# Altium PCB PCB2_routed2layers.PcbDoc (part 2 of 2)
Units mm, origin at the board's own origin, x right, y up, seen from the top; angles counter-clockwise.
Board outline 72 x 72 mm, 2 copper layers (Top Layer, Bottom Layer), stack 0.325 mm thick; 110 components, 127 nets, 562 pads, 188 vias.
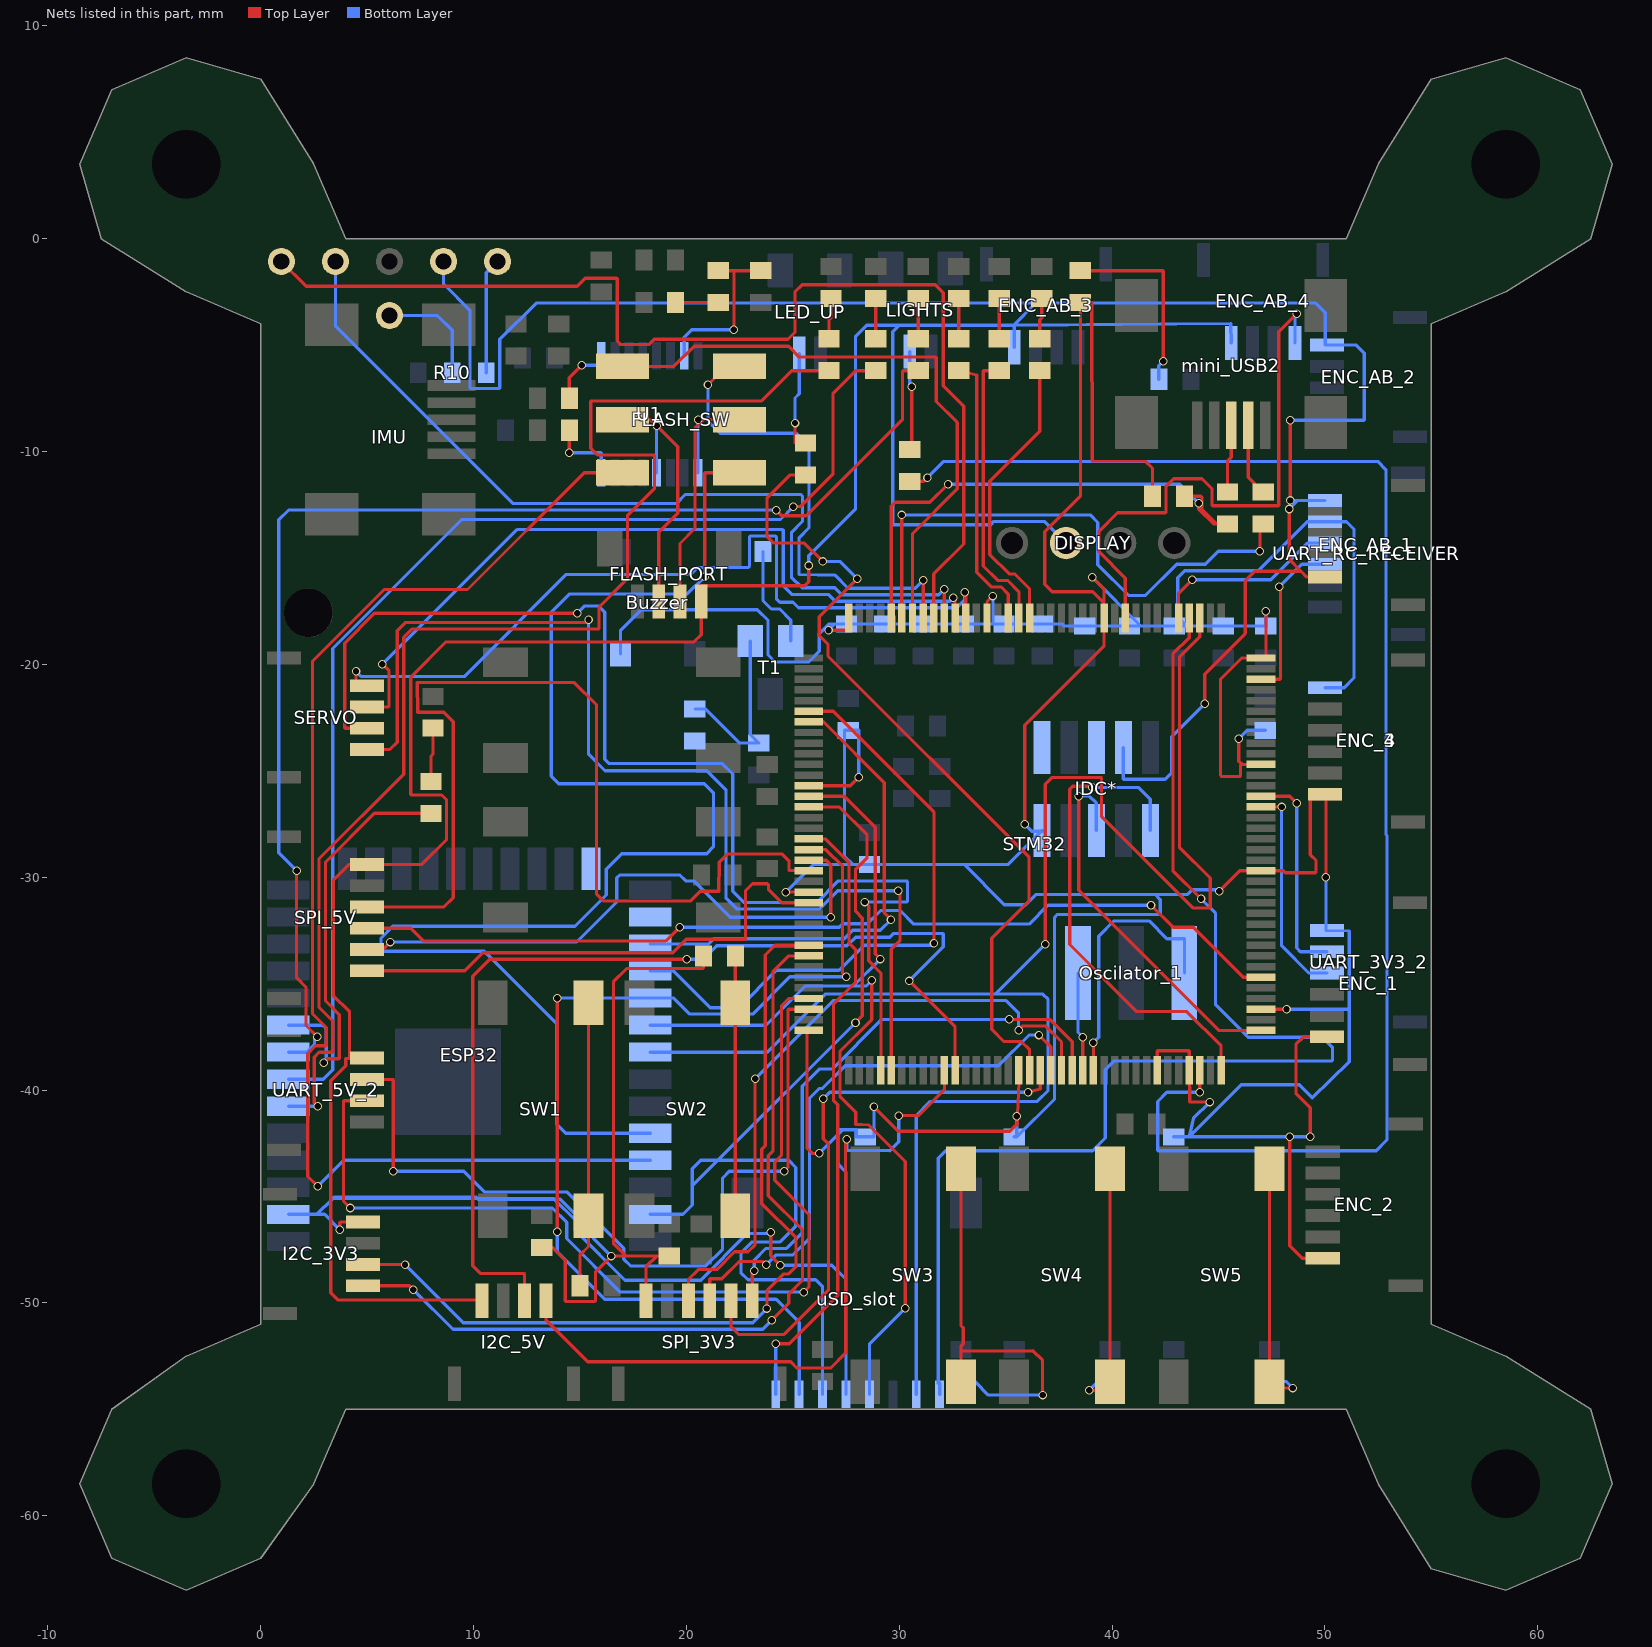
[diagram p2: the nets of this part, all layers, seen from the top]

## Via types
v1: diameter 0.4, hole 0.3, Top Layer to Bottom Layer, 188 vias

## Nets (pads, with @x,y where several pads share a name; then routed paths per layer and width w, separated by ;. In a path a pad name is that pad's centre, name@x,y a point inside that pad or via, vN(x,y) a via of type N, cw(c..) or ccw(c..) an arc to the next point about the centre after c; other vN are vias at no path point) (continued)
NetENC_AB_4_4: ENC_AB_4.4 STM32.82 | length 26.5
  Top Layer w0.152: STM32.82@40.625,-17.825 40.625,-15.946 39.389,-14.71 39.389,-13.744 40.256,-12.878 42.504,-12.878 42.529,-12.852 42.529,-11.646 42.898,-11.278 44.227,-11.278 44.696,-11.747 44.696,-12.522 44.722,-12.548 47.812,-12.548 47.838,-12.522 47.838,-4.369 v1(48.676,-3.531)
  Bottom Layer w0.152: ENC_AB_4.4@48.6,-4.9 48.6,-3.607 v1(48.676,-3.531)
NetESP32_6: ESP32.6 R6?.1 | length 61.8
  Top Layer w0.152: v1(2.677,-40.76) 2.516,-40.6 2.516,-38.449 2.738,-38.227 3.36,-38.227 3.386,-38.202 3.386,-36.757 2.738,-36.109 2.738,-29.136 6.715,-25.159 6.715,-18.732 7.105,-18.343 15.865,-18.343 15.894,-18.313 15.894,-17.317 17.231,-15.98 17.231,-13.018 18.501,-11.747 18.501,-10.185 18.475,-10.16 15.821,-10.16 15.504,-9.842 15.504,-7.645 15.529,-7.62 23.532,-7.62 24.952,-6.2 R6?.1@26.7,-6.2
  Bottom Layer w0.152: ESP32.6@1.3,-40.76 v1(2.677,-40.76)
NetESP32_7: ESP32.7 R7?.1 | length 55.2
  Top Layer w0.152: v1(25.029,-12.586) 25.346,-12.586 26.893,-11.039 26.893,-7.267 27.96,-6.2 R7?.1@28.9,-6.2
  Bottom Layer w0.152: ESP32.7@1.3,-39.49 2.947,-39.49 3.386,-39.051 3.386,-19.255 9.449,-13.192 24.422,-13.192 v1(25.029,-12.586)
NetESP32_8: ESP32.8 R8.1 | length 61.4
  Top Layer w0.152: v1(1.686,-29.693) 1.686,-34.729 2.129,-35.171 2.129,-36.968 v1(2.651,-37.49) ; v1(24.216,-12.751) 24.483,-13.018 25.626,-13.018 30.159,-8.484 30.159,-6.225 30.185,-6.2 R8.1@30.9,-6.2
  Bottom Layer w0.152: ESP32.8@1.3,-38.22 2.169,-38.22 2.524,-37.864 2.524,-37.516 2.55,-37.49 v1(2.651,-37.49) ; v1(1.686,-29.693) 0.848,-28.854 0.848,-13.208 1.305,-12.751 v1(24.216,-12.751)
NetESP32_9: ESP32.9 R9.1 | length 19.7
  Top Layer w0.152: v1(2.956,-38.71) 3.134,-38.532 3.665,-38.532 3.691,-38.506 3.691,-36.452 3.043,-35.805 3.043,-29.301 5.344,-27 R9.1@8,-27
  Bottom Layer w0.152: ESP32.9@1.3,-36.95 2.922,-36.95 3.081,-37.109 3.081,-38.585 v1(2.956,-38.71)
NetESP32_24: ESP32.24
NetESP32_26: ESP32.26
NetESP32_27: ESP32.27 STM32.115 | length 23.1
  Top Layer w0.152: STM32.115@25.75,-22.7 26.443,-22.7 29.296,-25.552 29.296,-31.676 v1(29.613,-31.994)
  Bottom Layer w0.152: ESP32.27@18.3,-33.14 21.035,-33.14 21.279,-32.896 27.413,-32.896 27.819,-32.49 29.117,-32.49 v1(29.613,-31.994)
NetESP32_28: ESP32.28 STM32.114 | length 29.3
  Top Layer w0.152: STM32.114@25.75,-22.2 26.902,-22.2 31.633,-26.931 v1(31.633,-33.099)
  Bottom Layer w0.152: ESP32.28@18.3,-34.41 19.403,-34.41 21.121,-36.128 22.479,-36.128 24.232,-34.376 27.175,-34.376 28.358,-33.193 31.539,-33.193 v1(31.633,-33.099)
NetESP32_29: ESP32.29 STM32.127 uSD_slot.2 | length 49.9
  Top Layer w0.152: v1(13.929,-46.66) v1(13.929,-35.68) ; STM32.127@25.75,-28.7 26.551,-28.7 27.34,-29.489 27.34,-34.506 v1(27.515,-34.68)
  Bottom Layer w0.152: v1(13.929,-46.66) 13.929,-47.6 16.164,-49.835 24.216,-49.835 25.3,-50.919 uSD_slot.2@25.3,-54.3 ; v1(13.929,-35.68) ESP32.29@18.3,-35.68 19.411,-35.68 20.165,-36.433 23.114,-36.433 24.867,-34.68 v1(27.515,-34.68)
NetESP32_30: ESP32.30 STM32.122 uSD_slot.5 | length 45.4
  Top Layer w0.152: STM32.122@25.75,-26.2 27.413,-26.2 28.874,-27.661 28.874,-33.605 v1(29.114,-33.846) ; v1(28.712,-34.849) 28.712,-36.69 27.213,-38.189 27.213,-40.284 27.964,-41.035 27.964,-41.605 28.57,-41.642 30.286,-43.358 v1(30.286,-50.248)
  Bottom Layer w0.152: ESP32.30@18.3,-36.95 23.74,-36.95 25.578,-35.112 27.847,-35.112 ; uSD_slot.5@28.6,-54.3 28.6,-51.934 v1(30.286,-50.248) ; v1(28.712,-34.849) 28.448,-35.112 27.847,-35.112 ; v1(29.114,-33.846) 27.847,-35.112
NetESP32_31: ESP32.31 STM32.75 uSD_slot.7 | length 80.9
  Top Layer w0.152: v1(36.865,-33.147) 36.865,-25.629 37.183,-25.311 39.481,-25.311 39.507,-25.336 39.507,-27.149 43.799,-31.442 44.587,-31.442 44.612,-31.417 44.612,-30.038 43.164,-28.59 43.164,-19.66 44.125,-18.699 STM32.75@44.125,-17.825
  Bottom Layer w0.152: ESP32.31@18.3,-38.22 23.794,-38.22 26.521,-35.493 34.519,-35.493 ; uSD_slot.7@30.8,-54.3 30.8,-41.203 31.468,-40.535 36.481,-40.535 36.994,-40.022 36.994,-35.74 36.748,-35.493 34.519,-35.493 ; v1(36.865,-33.147) 34.519,-35.493
NetESP32_34: ESP32.34 FLASH_SW.6 | length 70.3
  Top Layer w0.152: v1(20.863,-15.875) 20.863,-11.025 20.888,-11 FLASH_SW.6@22.5,-11
  Bottom Layer w0.152: ESP32.34@18.3,-42.03 14.323,-42.03 13.903,-41.611 13.903,-36.881 10.5,-33.477 5.677,-33.477 5.652,-33.452 5.652,-32.864 6.207,-32.309 14.767,-32.309 16.24,-30.836 16.24,-29.616 16.964,-28.892 20.952,-28.892 21.269,-28.575 21.269,-26.035 20.838,-25.603 14.005,-25.603 13.649,-25.248 13.649,-17.551 14.513,-16.688 20.05,-16.688 v1(20.863,-15.875)
NetESP32_35: ESP32.35 FLASH_SW.3 | length 60.1
  Top Layer w0.152: v1(2.677,-44.526) 2.212,-44.061 2.212,-38.286 2.575,-37.922 3.055,-37.922 3.081,-37.897 3.081,-37.062 2.433,-36.414 2.433,-19.852 5.803,-16.483 9.716,-16.483 15.199,-11 FLASH_SW.3@17,-11
  Bottom Layer w0.152: v1(2.677,-44.526) 3.903,-43.3 ESP32.35@18.3,-43.3
NetESP32_37: ESP32.37 STM32.123 uSD_slot.3 | length 48.4
  Top Layer w0.152: STM32.123@25.75,-26.7 27.181,-26.7 28.492,-28.011 28.492,-29.081 27.95,-29.623 27.95,-31.607 28.264,-31.921 28.264,-36.514 v1(27.946,-36.831)
  Bottom Layer w0.152: ESP32.37@18.3,-45.84 19.841,-45.84 20.279,-45.402 20.279,-44.499 ; uSD_slot.3@26.4,-54.3 26.4,-49.247 26.07,-48.917 22.895,-48.917 22.565,-48.587 22.565,-47.663 23.093,-47.135 24.401,-47.135 25.137,-46.399 25.137,-43.638 24.8,-43.301 21.476,-43.301 ; v1(27.946,-36.831) 21.476,-43.301 ; 20.279,-44.499 21.476,-43.301 ; 20.279,-44.499 20.279,-43.695 20.673,-43.301 21.476,-43.301
NetFLASH_PORT_2: FLASH_PORT.2 FLASH_SW.5 U1.1 | length 13.5
  Top Layer w0.152: FLASH_PORT.2@19.7,-17.05 19.7,-14.32 20.406,-13.614 20.406,-8.89 20.796,-8.5 ; v1(20.55,-8.5) 20.796,-8.5 ; FLASH_SW.5@22.5,-8.5 20.796,-8.5
  Bottom Layer w0.152: U1.1@20.55,-11 v1(20.55,-8.5)
NetFLASH_PORT_3: FLASH_PORT.3 FLASH_SW.2 U1.4 | length 13
  Top Layer w0.152: FLASH_SW.2@17,-8.5 18.31,-8.5 v1(18.6,-8.79) 19.59,-9.78 19.59,-12.909 18.7,-13.799 FLASH_PORT.3@18.7,-17.05
  Bottom Layer w0.152: U1.4@18.6,-11 v1(18.6,-8.79)
NetI2C_3V3_3: I2C_3V3.3 STM32.136 | length 40.7
  Top Layer w0.152: I2C_3V3.3@4.8,-48.2 v1(6.782,-48.2) ; v1(23.784,-50.267) 23.784,-49.432 24.575,-48.641 24.8,-48.641 25.152,-48.289 25.152,-46.946 23.546,-45.34 23.546,-42.777 23.708,-42.615 23.708,-33.655 24.163,-33.2 STM32.136@25.75,-33.2
  Bottom Layer w0.152: v1(6.782,-48.2) 9.519,-50.936 23.114,-50.936 v1(23.784,-50.267)
NetI2C_3V3_4: I2C_3V3.4 STM32.137 | length 40
  Top Layer w0.152: I2C_3V3.4@4.8,-49.2 6.995,-49.2 v1(7.172,-49.378) ; v1(24.013,-50.813) 24.809,-50.016 24.809,-49.594 25.457,-48.946 25.457,-46.573 23.851,-44.967 23.851,-43.082 24.076,-42.856 24.076,-34.424 24.8,-33.7 STM32.137@25.75,-33.7
  Bottom Layer w0.152: v1(7.172,-49.378) 9.036,-51.241 23.584,-51.241 v1(24.013,-50.813)
NetI2C_5V_3: I2C_5V.3 STM32.11 | length 48.4
  Top Layer w0.152: I2C_5V.3@12.4,-49.9 12.4,-48.641 12.375,-48.616 10.322,-48.616 9.966,-48.26 9.966,-34.647 10.755,-33.858 v1(20.025,-33.858) ; v1(30.464,-34.874) 32.625,-37.035 STM32.11@32.625,-39.075
  Bottom Layer w0.152: v1(20.025,-33.858) 20.796,-33.858 21.431,-33.223 27.543,-33.223 27.95,-32.817 29.561,-32.817 29.738,-32.639 32.039,-32.639 32.064,-32.664 32.064,-33.274 v1(30.464,-34.874)
NetI2C_5V_4: I2C_5V.4 STM32.10 | length 34.2
  Top Layer w0.152: I2C_5V.4@13.4,-49.9 13.4,-50.8 15.371,-52.771 24.902,-52.771 25.191,-53.061 26.781,-53.061 27.471,-52.37 27.471,-42.388 v1(27.543,-42.316) ; v1(29.982,-41.199) 30.906,-41.199 32.125,-39.98 STM32.10@32.125,-39.075
  Bottom Layer w0.152: v1(27.543,-42.316) 27.543,-42.824 29.563,-42.85 29.982,-42.431 v1(29.982,-41.199)
NetIDC*_1: IDC*.1 STM32.36 | length 23.1
  Top Layer w0.152: v1(39.075,-25.781) 39.024,-25.73 38.148,-25.73 38.008,-25.87 38.008,-33.161 41.158,-36.311 43.509,-36.311 45.125,-37.927 STM32.36@45.125,-39.075
  Bottom Layer w0.152: v1(39.075,-25.781) 41.241,-25.781 41.8,-26.34 IDC*.1@41.8,-27.8
NetIDC*_3: IDC*.3 STM32.37 | length 18
  Top Layer w0.152: v1(38.44,-26.187) 38.44,-30.621 45.018,-37.2 STM32.37@47,-37.2
  Bottom Layer w0.152: v1(38.44,-26.187) 38.936,-26.187 39.26,-26.511 IDC*.3@39.26,-27.8
NetIDC*_8: IDC*.8
NetIDC*_10: IDC*.10
NetIMU_1: IMU.1 STM32.100 | length 53.5
  Top Layer w0.152: IMU.1@0.97,-1.07 2.138,-2.238 14.865,-2.238 15.25,-1.854 16.723,-1.854 16.75,-1.881 16.75,-4.806 16.919,-4.975 18.231,-4.975 18.482,-4.724 24.775,-4.724 25.105,-4.394 25.105,-2.489 25.435,-2.159 31.69,-2.159 32.071,-2.54 32.071,-6.909 33.03,-7.867 33.03,-14.345 31.625,-15.75 STM32.100@31.625,-17.825
NetIMU_2: IMU.2 STM32.99 | length 41.6
  Top Layer w0.152: v1(32.118,-16.472) 32.118,-17.288 32.125,-17.294 STM32.99@32.125,-17.825
  Bottom Layer w0.152: IMU.2@3.51,-1.07 3.51,-4.097 11.855,-12.443 19.53,-12.443 19.958,-12.014 25.368,-12.014 25.457,-12.104 25.457,-13.284 24.935,-13.807 24.935,-15.905 25.435,-16.405 26.971,-16.405 27.29,-16.725 31.866,-16.725 v1(32.118,-16.472)
NetIMU_5: IMU.5 R10.1 | length 5.4
  Bottom Layer w0.152: R10.1@10.6,-6.3 10.6,-1.6 IMU.5@11.13,-1.07
NetIMU_6: IMU.6 R10.2 | length 5.2
  Bottom Layer w0.152: IMU.6@6.05,-3.61 8.306,-3.61 9,-4.304 R10.2@9,-6.3
NetLD1_2: LD1.2 R4.1 | length 2
  Top Layer w0.152: LD1.2@19.5,-3 R4.1@21.5,-3
NetLD2_2: LD2.2 R11.1 | length 9.1
  Top Layer w0.152: LD2.2@38.5,-1.5 42.377,-1.5 42.402,-1.525 v1(42.402,-5.766)
  Bottom Layer w0.152: R11.1@42.2,-6.6 42.2,-5.968 v1(42.402,-5.766)
NetLD3_1: LD3.1 R6?.2 | length 1.9
  Top Layer w0.152: R6?.2@26.7,-4.7 26.7,-3.81 26.8,-3.71 LD3.1@26.8,-2.8
NetLD4_1: LD4.1 R7?.2 | length 1.9
  Top Layer w0.152: R7?.2@28.9,-4.7 LD4.1@28.9,-2.8
NetLD5_1: LD5.1 R8.2 | length 1.9
  Top Layer w0.152: R8.2@30.9,-4.7 LD5.1@30.9,-2.8
NetLD6_1: LD6.1 R9.2 | length 2.5
  Top Layer w0.152: R9.2@8,-25.5 8,-24.308 8.1,-24.208 LD6.1@8.1,-23
NetLD7_1: LD7.1 R?7.2 | length 1.9
  Top Layer w0.152: R?7.2@32.8,-4.7 32.8,-3.759 LD7.1@32.8,-2.8
NetLD8_1: LD8.1 R8?.2 | length 1.9
  Top Layer w0.152: R8?.2@34.7,-4.7 LD8.1@34.7,-2.8
NetLD9_1: LD9.1 R9?.2 | length 1.9
  Top Layer w0.152: R9?.2@36.6,-4.7 36.6,-3.81 36.7,-3.71 LD9.1@36.7,-2.8
NetLED_UP_1: LED_UP.1 R68.2 | length 4.8
  Top Layer w0.152: v1(25.105,-8.661) 25.105,-9.6 R68.2@25.6,-9.6
  Bottom Layer w0.152: v1(25.105,-8.661) 25.105,-7.485 25.3,-7.29 LED_UP.1@25.3,-5.4
NetLIGHTS_1: LIGHTS.1 R67.2 | length 4.7
  Top Layer w0.152: R67.2@30.5,-9.9 30.591,-9.9 v1(30.591,-6.954)
  Bottom Layer w0.152: LIGHTS.1@30.5,-5.3 30.5,-6.862 v1(30.591,-6.954)
Netmini_USB2_2: mini_USB2.2 R47.2 | length 3.4
  Top Layer w0.152: mini_USB2.2@46.4,-8.765 46.4,-11.2 R47.2@47.1,-11.9
Netmini_USB2_3: mini_USB2.3 R48.2 | length 3.2
  Top Layer w0.152: R48.2@45.425,-11.9 45.425,-10.439 45.6,-10.264 mini_USB2.3@45.6,-8.765
NetOscilator_1_1: Oscilator_1.1 STM32.24 | length 12.7
  Top Layer w0.152: STM32.24@39.125,-39.075 v1(39.125,-37.77)
  Bottom Layer w0.152: v1(39.125,-37.77) 39.38,-37.516 39.38,-32.766 40.091,-32.055 41.742,-32.055 42.58,-32.893 43.4,-32.893 Oscilator_1.1@43.4,-34.5
NetOscilator_1_3: Oscilator_1.3 STM32.23 | length 4.7
  Top Layer w0.152: STM32.23@38.625,-39.075 v1(38.625,-37.519)
  Bottom Layer w0.152: Oscilator_1.3@38.4,-34.5 38.4,-37.294 v1(38.625,-37.519)
NetR1_1: RUSB.1 U1.9 | length 3.2
  Top Layer w0.152: RUSB.1@14.5,-7.5 14.5,-6.528 v1(15.084,-5.944)
  Bottom Layer w0.152: v1(15.084,-5.944) 16,-5.944 U1.9@16,-5.5
NetR2_1: R2.1 U1.8 | length 3.5
  Top Layer w0.152: v1(14.5,-10.058) R2.1@14.5,-9
  Bottom Layer w0.152: v1(14.5,-10.058) 15.975,-10.058 16,-10.084 U1.8@16,-11
NetR3_1: R3.1 R4.2 U1.15 | length 8.8
  Top Layer w0.152: v1(22.235,-4.28) 22.235,-1.525 R4.2@21.5,-1.5 R3.1@23.5,-1.5
  Bottom Layer w0.152: U1.15@19.9,-5.5 19.9,-4.623 20.243,-4.28 v1(22.235,-4.28)
NetR5_2: R5.2 T1.2 | length 5
  Bottom Layer w0.152: R5.2@23.6,-14.7 23.6,-17.003 23.996,-17.399 24.382,-17.399 24.9,-17.917 T1.2@24.9,-18.9
NetR6_1: R6.1
NetR6_2: R6.2 R7.2 T1.1 | length 8.6
  Bottom Layer w0.152: R6.2@20.4,-22.1 20.912,-22.1 22.512,-23.7 R7.2@23.4,-23.7 23,-23.293 T1.1@23,-18.9
NetR8?_1: R8?.1 STM32.92 | length 13.3
  Top Layer w0.152: R8?.1@34.7,-6.2 33.969,-6.2 33.954,-6.216 33.954,-15.376 34.633,-16.056 35.087,-16.056 35.625,-16.594 STM32.92@35.625,-17.825
NetR9?_1: R9?.1 STM32.91 | length 13.5
  Top Layer w0.152: STM32.91@36.125,-17.825 36.125,-16.459 35.417,-15.751 35.17,-15.751 34.258,-14.84 34.258,-11.395 36.6,-9.053 R9?.1@36.6,-6.2
NetR22_2: R22.2 SW3.3 SW3.4 | length 19.8
  Top Layer w0.152: SW3.3@32.9,-53.7 32.9,-52.273 ; SW3.4@32.9,-43.7 32.9,-51.063 33.009,-51.172 33.009,-51.92 32.9,-52.029 32.9,-52.273 ; v1(36.738,-54.331) 36.738,-52.705 36.281,-52.248 32.9,-52.273
  Bottom Layer w0.152: R22.2@32.9,-53.7 33.563,-53.7 34.194,-54.331 v1(36.738,-54.331)
NetR24_2: R24.2 SW4.3 SW4.4 | length 12.5
  Top Layer w0.152: v1(38.922,-54.102) 39.9,-54.102 SW4.3@39.9,-53.7 SW4.4@39.9,-43.7
  Bottom Layer w0.152: v1(38.922,-54.102) 39.324,-53.7 R24.2@39.9,-53.7
NetR26_2: R26.2 SW5.3 SW5.4 | length 12.6
  Top Layer w0.152: SW5.4@47.4,-43.7 SW5.3@47.4,-53.7 47.4,-54 v1(48.498,-54)
  Bottom Layer w0.152: R26.2@47.4,-53.7 48.198,-53.7 v1(48.498,-54)
NetR42_2: R42.2 SW1.3 SW1.4 | length 13.5
  Top Layer w0.152: R42.2@15,-49.2 15,-47.752 15.4,-47.352 SW1.3@15.4,-45.9 SW1.4@15.4,-35.9
NetR47_1: R47.1 STM32.103 | length 26.7
  Top Layer w0.152: STM32.103@30.125,-17.825 v1(30.125,-12.979) ; v1(46.949,-14.681) 46.949,-13.4 R47.1@47.1,-13.4
  Bottom Layer w0.152: v1(30.125,-12.979) 38.973,-12.979 39.329,-13.335 39.329,-15.316 40.777,-16.764 41.564,-16.764 43.034,-15.294 44.38,-15.294 44.993,-14.681 v1(46.949,-14.681)
NetR48_1: R48.1 R49.2 STM32.104 | length 24.8
  Top Layer w0.152: STM32.104@29.625,-17.825 29.625,-12.573 29.815,-12.383 31.442,-12.383 v1(32.293,-11.532) ; R49.2@43.4,-12.1 44.168,-12.1 44.231,-12.163 44.231,-12.728 44.903,-13.4 ; v1(44.079,-12.421) 44.079,-12.713 44.766,-13.4 44.903,-13.4 ; R48.1@45.425,-13.4 44.903,-13.4
  Bottom Layer w0.152: v1(32.293,-11.532) 43.19,-11.532 v1(44.079,-12.421)
NetR52_2: R52.2 SW2.3 SW2.4 | length 12.2
  Top Layer w0.152: 22.3,-34.823 R52.2@22.3,-33.7 ; SW2.3@22.3,-45.9 SW2.4@22.3,-35.9 22.3,-34.823
NetR67_1: R67.1 STM32.34 | length 70.9
  Top Layer w0.152: R67.1@30.5,-11.4 31.155,-11.4 v1(31.328,-11.227) ; STM32.34@44.125,-39.075 44.125,-40.102 v1(44.129,-40.107)
  Bottom Layer w0.152: v1(31.328,-11.227) 32.09,-10.465 52.486,-10.465 52.867,-10.846 52.867,-27.991 52.918,-28.042 52.918,-42.342 52.41,-42.85 42.174,-42.85 42.148,-42.824 42.148,-40.538 42.58,-40.107 v1(44.129,-40.107)
NetR68_1: R68.1 STM32.18 | length 39
  Top Layer w0.152: R68.1@25.6,-11.1 24.876,-11.1 23.784,-12.192 23.784,-13.97 24.114,-14.3 25.537,-14.3 v1(26.4,-15.164) ; v1(28.026,-15.977) 26.248,-17.755 26.248,-18.644 26.654,-19.05 26.654,-19.609 36.103,-29.058 36.103,-31.115 34.35,-32.868 34.35,-37.148 34.922,-37.719 35.744,-37.719 36.125,-38.1 STM32.18@36.125,-39.075
  Bottom Layer w0.152: v1(26.4,-15.164) 27.213,-15.164 v1(28.026,-15.977)
NetR?7_1: R?7.1 STM32.93 | length 13.2
  Top Layer w0.152: R?7.1@32.8,-6.2 33.639,-6.403 33.639,-15.678 34.322,-16.361 34.782,-16.361 35.125,-16.704 STM32.93@35.125,-17.825
NetSERVO_1: SERVO.1 STM32.97 | length 38.3
  Top Layer w0.152: v1(4.48,-20.32) 4.48,-21 SERVO.1@5,-21 ; v1(33.08,-16.617) 33.125,-16.661 STM32.97@33.125,-17.825
  Bottom Layer w0.152: v1(4.48,-20.32) 4.734,-20.574 9.56,-20.574 14.361,-15.773 20.214,-15.773 20.541,-15.446 22.905,-15.446 22.971,-15.38 22.971,-13.997 22.997,-13.971 24.19,-13.971 24.229,-14.01 24.229,-16.912 24.393,-17.076 25.011,-17.076 25.269,-17.334 32.706,-17.334 33.08,-16.959 v1(33.08,-16.617)
NetSERVO_2: SERVO.2 STM32.98 | length 36.6
  Top Layer w0.152: SERVO.2@5,-22 6.004,-22 6.029,-21.975 6.029,-20.307 v1(5.712,-19.99) ; v1(32.547,-16.866) 32.625,-16.944 STM32.98@32.625,-17.825
  Bottom Layer w0.152: v1(5.712,-19.99) 12.037,-13.665 24.521,-13.665 24.546,-13.691 24.546,-16.308 24.951,-16.713 26.669,-16.713 26.985,-17.029 32.383,-17.029 v1(32.547,-16.866)
NetSERVO_3: SERVO.3 STM32.4 | length 56.9
  Top Layer w0.152: SERVO.3@5,-23 3.972,-23 3.947,-22.975 3.947,-18.999 5.344,-17.602 v1(14.881,-17.602) ; v1(28.381,-31.166) 28.569,-31.353 28.569,-33.929 29.143,-34.504 29.143,-38.583 29.125,-38.583 STM32.4@29.125,-39.075
  Bottom Layer w0.152: v1(14.881,-17.602) 15.229,-17.254 15.863,-17.254 16.164,-17.555 16.164,-24.46 16.367,-24.663 21.689,-24.663 22.175,-25.15 22.175,-30.654 22.713,-31.191 26.121,-31.191 27.137,-30.175 30.363,-30.175 30.388,-30.201 30.388,-31.14 30.363,-31.166 v1(28.381,-31.166)
NetSERVO_4: SERVO.4 STM32.5 | length 51.9
  Top Layer w0.152: SERVO.4@5,-24 6.068,-24 6.41,-23.657 6.41,-18.415 6.787,-18.038 15.272,-18.038 v1(15.403,-17.907) ; STM32.5@29.625,-39.075 29.625,-33.383 30.042,-32.966 30.042,-30.718 v1(29.956,-30.632)
  Bottom Layer w0.152: v1(15.403,-17.907) 15.403,-24.22 16.177,-24.994 20.965,-24.994 21.86,-25.889 21.86,-30.969 22.388,-31.496 26.248,-31.496 27.111,-30.632 v1(29.956,-30.632)
NetSPI_3V3_3: SPI_3V3.3 STM32.21 | length 31.3
  Top Layer w0.152: SPI_3V3.3@20.1,-49.9 20.1,-48.895 20.557,-48.438 21.422,-48.438 22.26,-47.6 22.895,-47.6 23.229,-47.266 v1(23.229,-39.469) ; v1(35.608,-37.186) 35.808,-36.986 36.87,-36.986 37.625,-37.741 STM32.21@37.625,-39.075
  Bottom Layer w0.152: v1(23.229,-39.469) 26.9,-35.798 35.02,-35.798 35.608,-36.386 v1(35.608,-37.186)
NetSPI_3V3_4: SPI_3V3.4 STM32.20 | length 27.1
  Top Layer w0.152: SPI_3V3.4@21.1,-49.9 21.1,-48.895 21.125,-48.87 21.672,-48.87 22.485,-48.057 23.606,-48.057 v1(23.759,-48.209) ; v1(36.566,-37.414) 37.125,-37.973 STM32.20@37.125,-39.075
  Bottom Layer w0.152: v1(23.759,-48.209) 24.221,-47.747 25.011,-47.747 25.791,-46.967 25.791,-40.373 26.235,-39.929 26.391,-39.929 27.457,-38.862 34.656,-38.862 36.104,-37.414 v1(36.566,-37.414)
NetSPI_3V3_5: SPI_3V3.5 STM32.19 | length 27.1
  Top Layer w0.152: SPI_3V3.5@22.1,-49.9 22.1,-51.117 22.471,-51.489 24.568,-51.489 26.68,-49.378 26.68,-42.545 26.426,-42.291 v1(26.426,-40.411) ; v1(36.052,-40.107) 36.625,-39.954 STM32.19@36.625,-39.075
  Bottom Layer w0.152: v1(26.426,-40.411) 26.73,-40.107 v1(36.052,-40.107)
NetSPI_3V3_6: SPI_3V3.6 STM32.22 | length 27.4
  Top Layer w0.152: SPI_3V3.6@23.1,-49.9 23.1,-48.579 v1(23.19,-48.489) ; v1(35.166,-36.681) 37.069,-36.681 38.125,-37.736 STM32.22@38.125,-39.075
  Bottom Layer w0.152: v1(23.19,-48.489) 23.19,-47.99 23.741,-47.44 24.706,-47.44 25.442,-46.704 25.442,-39.818 26.246,-39.013 26.849,-39.013 29.181,-36.681 v1(35.166,-36.681)
NetSPI_5V_3: SPI_5V.3 STM32.129 | length 45.9
  Top Layer w0.152: SPI_5V.3@5,-31.4 8.608,-31.4 9.052,-30.955 9.052,-22.695 8.608,-22.25 7.376,-22.25 7.35,-20.866 14.729,-20.853 15.783,-21.907 15.783,-30.797 16.101,-31.115 20.203,-31.115 20.66,-30.658 21.523,-30.658 21.549,-29.299 21.943,-28.905 24.483,-28.905 24.825,-29.248 24.825,-29.675 STM32.129@25.75,-29.7
NetSPI_5V_4: SPI_5V.4 STM32.42 | length 44.9
  Top Layer w0.152: SPI_5V.4@5,-32.4 7.045,-32.4 7.64,-32.995 19.047,-32.995 v1(19.695,-32.347) ; v1(41.831,-31.318) 42.867,-32.354 43.813,-32.354 46.158,-34.7 STM32.42@47,-34.7
  Bottom Layer w0.152: v1(19.695,-32.347) 27.181,-32.347 27.343,-32.185 28.508,-32.185 29.128,-31.565 30.042,-31.565 30.677,-32.2 36.104,-32.2 36.986,-31.318 v1(41.831,-31.318)
NetSPI_5V_5: SPI_5V.5 STM32.128 | length 28.3
  Top Layer w0.152: SPI_5V.5@5,-33.4 5.726,-33.4 v1(6.08,-33.045) ; STM32.128@25.75,-29.2 26.568,-29.2 26.781,-29.413 v1(26.781,-31.877)
  Bottom Layer w0.152: v1(6.08,-33.045) 14.843,-33.045 16.724,-31.165 16.724,-30.034 16.863,-29.896 19.695,-29.896 19.974,-30.175 20.355,-30.175 22.057,-31.877 v1(26.781,-31.877)
NetSPI_5V_6: SPI_5V.6 STM32.132 | length 24.3
  Top Layer w0.152: SPI_5V.6@5,-34.4 9.583,-34.4 10.43,-33.553 19.364,-33.553 19.999,-32.918 22.754,-32.918 22.779,-32.893 22.779,-30.632 23.106,-30.305 23.809,-30.305 23.857,-30.353 23.857,-30.574 24.483,-31.2 STM32.132@25.75,-31.2
NetSTM32_58: STM32.58 UART_3V3_2.3 | length 10.1
  Top Layer w0.152: STM32.58@47,-26.7 v1(47.965,-26.7)
  Bottom Layer w0.152: v1(47.965,-26.7) 47.965,-33.217 49.248,-34.5 UART_3V3_2.3@50.1,-34.5
NetSTM32_59: STM32.59 UART_3V3_2.2 | length 10.1
  Top Layer w0.152: STM32.59@47,-26.2 48.359,-26.2 v1(48.676,-26.517)
  Bottom Layer w0.152: v1(48.676,-26.517) 48.676,-33.325 48.851,-33.5 UART_3V3_2.2@50.1,-33.5
NetSTM32_70: STM32.70 UART_RC_RECEIVER.4 | length 7.8
  Top Layer w0.152: STM32.70@47,-20.7 47.889,-20.7 47.914,-20.675 47.914,-16.408 v1(47.863,-16.358)
  Bottom Layer w0.152: v1(47.863,-16.358) 48.921,-15.3 UART_RC_RECEIVER.4@50,-15.3
NetSTM32_76: STM32.76 uSD_slot.8 | length 59.7
  Top Layer w0.152: STM32.76@43.625,-17.825 43.625,-18.745 42.859,-19.511 42.859,-29.693 v1(44.18,-31.013)
  Bottom Layer w0.152: uSD_slot.8@31.9,-54.3 31.9,-53.772 31.839,-53.772 31.839,-43.202 32.191,-42.85 39.088,-42.85 39.684,-42.253 39.684,-39.052 40.104,-38.633 50.327,-38.633 50.352,-38.608 50.352,-37.986 49.883,-37.516 46.39,-37.516 44.866,-35.992 44.866,-31.699 v1(44.18,-31.013)
NetSTM32_77: STM32.77 UART_RC_RECEIVER.3 | length 9
  Top Layer w0.152: STM32.77@43.125,-17.825 43.125,-16.662 v1(43.76,-16.027)
  Bottom Layer w0.152: v1(43.76,-16.027) 47.453,-16.027 49.181,-14.3 UART_RC_RECEIVER.3@50,-14.3
NetSTM32_101: FLASH_SW.4 STM32.101 | length 23
  Top Layer w0.152: v1(21.015,-6.858) 21.873,-6 FLASH_SW.4@22.5,-6 ; STM32.101@31.125,-17.825 v1(31.125,-16.043)
  Bottom Layer w0.152: v1(21.015,-6.858) 21.015,-8.572 21.587,-9.144 25.156,-9.144 25.762,-9.75 25.762,-13.589 25.295,-14.056 25.295,-15.776 26.989,-15.814 27.595,-16.42 30.748,-16.42 v1(31.125,-16.043)
NetSTM32_102: FLASH_SW.1 STM32.102 | length 28.9
  Top Layer w0.152: FLASH_SW.1@17,-6 19.415,-6 20.361,-5.055 24.8,-5.055 25.308,-5.563 31.716,-5.563 31.741,-5.588 31.741,-7.649 32.722,-8.63 32.722,-11.756 30.625,-13.853 STM32.102@30.625,-17.825
NetSTM32_126: STM32.126 uSD_slot.1 | length 29.6
  Top Layer w0.152: v1(24.2,-51.918) 24.835,-51.918 27.115,-49.638 27.115,-40.694 26.908,-40.488 26.908,-35.966 27.95,-34.925 27.95,-33.401 27.645,-33.096 27.645,-29.312 26.533,-28.2 STM32.126@25.75,-28.2
  Bottom Layer w0.152: uSD_slot.1@24.2,-54.3 v1(24.2,-51.918)
NetSTM32_141: STM32.141 UART_5V_2.3 | length 45.4
  Top Layer w0.152: v1(4.201,-45.542) 3.896,-45.237 3.896,-40.525 3.921,-40.5 UART_5V_2.3@5,-40.5 ; v1(25.521,-49.492) 25.762,-49.251 25.762,-45.85 24.156,-44.244 24.156,-43.386 24.47,-43.072 24.47,-36.03 24.8,-35.7 STM32.141@25.75,-35.7
  Bottom Layer w0.152: v1(4.201,-45.542) 13.704,-45.542 14.381,-46.219 14.381,-46.976 16.897,-49.492 v1(25.521,-49.492)
NetSTM32_142: STM32.142 UART_5V_2.2 | length 38.5
  Top Layer w0.152: UART_5V_2.2@5,-39.5 6.207,-39.5 6.233,-39.525 v1(6.233,-43.815) ; v1(24.597,-43.815) 24.775,-43.637 24.775,-36.225 24.8,-36.2 STM32.142@25.75,-36.2
  Bottom Layer w0.152: v1(6.233,-43.815) 9.547,-43.815 10.525,-44.793 14.404,-44.793 17.053,-47.442 17.053,-47.942 17.375,-48.265 20.909,-48.265 21.701,-47.473 21.701,-44.133 22.019,-43.815 v1(24.597,-43.815)
VCC_3V3: Buzzer.2 C38.2 C39.2 C51.2 C70.2 C71.2 C72.2 C73.2 C74.2 C75.2 C76.2 C77.2 C78.2 C79.2 C80.2 ENC_1.1 ENC_2.1 ENC_3.1 ENC_4.1 ESP32.2 I2C_3V3.1 IDC*.5 LD2.1 R21.2 R23.2 R25.2 R31.2 R49.1 R52.1 R?.2 SPI_3V3.1 STM32.17 STM32.30 STM32.33 STM32.39 STM32.52 STM32.62 STM32.72 STM32.84 STM32.95 STM32.108 STM32.121 STM32.131 STM32.144 UART_3V3_2.1 UART_RC_RECEIVER.2 uSD_slot.4 | length 358.9
  Top Layer w0.152: v1(3.718,-46.558) 3.718,-46.225 3.743,-46.2 I2C_3V3.1@4.8,-46.2 ; R31.2@13.2,-47.4 13.717,-47.4 14.31,-47.993 14.31,-49.911 14.335,-49.936 15.707,-49.936 15.732,-49.911 15.732,-48.534 v1(16.466,-47.8) 17.18,-47.8 ; SPI_3V3.1@18.1,-49.9 18.1,-48.302 18.602,-47.8 ; C51.2@19.2,-47.8 18.602,-47.8 ; R52.1@20.8,-33.7 20.8,-34.265 20.775,-34.29 17.205,-34.29 16.574,-34.922 16.574,-47.194 17.18,-47.8 ; v1(23.962,-46.685) 23.962,-47.777 v1(24.419,-48.235) ; v1(24.673,-30.709) 24.682,-30.7 STM32.131@25.75,-30.7 ; STM32.144@25.75,-37.2 25.664,-37.2 25.664,-42.723 25.918,-42.977 v1(26.235,-42.977) ; STM32.121@25.75,-25.7 27.7,-25.7 v1(28.102,-25.298) ; v1(26.68,-18.396) 27.625,-18.396 STM32.108@27.625,-17.825 ; v1(28.813,-40.792) 29.956,-41.935 35.201,-41.935 35.544,-41.593 35.559,-41.226 v1@35.561,-41.182 ; STM32.95@34.125,-17.825 34.125,-17.066 v1(34.401,-16.789) ; v1(35.519,-41.224) v1@35.561,-41.182 ; STM32.17@35.625,-39.075 35.625,-39.624 v1@35.561,-41.182 ; v1(35.9,-27.508) 35.9,-22.86 39.625,-19.135 STM32.84@39.625,-17.825 39.625,-17.124 ; LD2.1@38.5,-3 LD2.1@38.516,-3 ; v1(39.061,-15.9) 39.625,-16.464 39.625,-17.124 ; R49.1@41.9,-12.1 41.9,-10.795 41.57,-10.465 39.075,-10.439 39.049,-3 LD2.1@38.516,-3 ; STM32.30@42.125,-39.075 42.125,-38.176 42.15,-38.151 43.6,-38.151 43.625,-38.176 STM32.33@43.625,-39.075 43.65,-40.564 v1(44.587,-40.564) ; v1(45.044,-30.658) 46.002,-29.7 STM32.52@47,-29.7 48.043,-29.7 48.139,-29.796 49.555,-29.796 49.582,-29.769 49.582,-29.21 49.311,-28.939 49.311,-26.1 ENC_3.1@50,-26.1 50.048,-26.1 v1(50.048,-30.01) ; v1(45.958,-23.495) 45.958,-24.548 46.111,-24.7 ; STM32.39@47,-36.2 v1(48.198,-36.2) ; STM32.62@47,-24.7 46.111,-24.7 ; v1(47.228,-17.501) 47.228,-19.7 STM32.72@47,-19.7 46.085,-19.7 45.098,-20.687 45.098,-25.222 45.145,-25.27 46.009,-25.27 46.034,-25.244 46.034,-24.725 46.06,-24.7 46.111,-24.7 ; v1(48.346,-42.2) 48.346,-47.316 48.93,-47.9 ENC_2.1@49.9,-47.9 ; v1(49.311,-42.2) 49.311,-40.824 48.641,-40.154 48.641,-37.859 49,-37.5 ENC_1.1@50.1,-37.5 ; 17.18,-47.8 18.602,-47.8 ; LD2.1@38.516,-3 38.516,-12.09 36.84,-13.767 36.84,-16.243 37.183,-16.586 39.088,-16.586 39.625,-17.124
  Bottom Layer w0.152: ESP32.2@1.3,-45.84 2.633,-45.84 ; v1(3.718,-46.558) 3,-45.84 2.633,-45.84 ; v1(16.466,-47.8) 14.772,-46.106 ; Buzzer.2@16.9,-19.5 16.9,-18.415 17.88,-17.435 23.337,-17.435 23.835,-17.932 23.835,-19.558 24.165,-19.888 25.753,-19.888 26.248,-19.393 26.248,-18.557 26.705,-18.1 26.976,-18.1 ; v1(23.962,-46.685) 23.911,-46.736 22.87,-46.736 20.672,-48.933 17.117,-48.933 14.772,-46.588 14.772,-46.106 ; v1(24.419,-48.235) 26.84,-48.235 27.5,-48.895 ; v1(24.673,-30.709) 25.982,-29.4 27.81,-29.4 ; v1(26.235,-42.977) 27.115,-42.097 ; v1(26.68,-18.396) 26.976,-18.1 ; uSD_slot.4@27.5,-54.3 27.5,-48.895 ; v1(28.102,-25.298) 28.102,-23.1 C38.2@27.6,-23.1 27.429,-23.1 27.429,-29.019 27.81,-29.4 ; v1(28.813,-40.792) 28.813,-42.2 R21.2@28.4,-42.2 27.976,-42.2 27.976,-41.869 27.343,-41.869 ; v1(34.401,-16.789) 34.401,-18.087 34.414,-18.1 ; R23.2@35.4,-42.2 R23.2@35.519,-42.2 ; v1(35.519,-41.224) R23.2@35.519,-42.2 ; v1(35.9,-27.508) 36.23,-27.838 IDC*.5@36.682,-27.838 ; v1(39.061,-15.9) 41.361,-18.2 ; R25.2@42.9,-42.2 43.627,-42.2 ; v1(44.587,-40.564) 43.825,-41.326 43.627,-42.2 ; v1(45.044,-30.658) 44.971,-30.585 43.774,-30.585 43.548,-30.81 42.021,-30.81 ; v1(45.958,-23.495) 46.353,-23.1 C39.2@47.2,-23.1 ; v1(47.228,-17.501) 47.221,-17.508 C70.2@47.221,-18.2 46.689,-18.2 ; v1(48.198,-36.2) 51.14,-36.2 ; v1(49.311,-42.2) v1(48.346,-42.2) 43.627,-42.2 ; ENC_4.1@50,-21.1 50.906,-21.1 51.368,-20.637 51.368,-13.652 51.016,-13.3 UART_RC_RECEIVER.2@50,-13.3 49.168,-13.3 46.869,-15.599 43.418,-15.599 43.088,-15.929 43.088,-17.78 43.508,-18.2 ; v1(50.048,-30.01) 50.048,-32.5 UART_3V3_2.1@50.1,-32.5 51.14,-32.525 51.14,-36.2 ; 2.633,-45.84 3.375,-45.098 ; 3.375,-45.098 3.439,-45.034 10.124,-45.034 10.188,-45.098 ; 3.375,-45.098 10.188,-45.098 ; 10.188,-45.098 10.22,-45.13 13.796,-45.13 ; 10.188,-45.098 13.764,-45.098 13.796,-45.13 ; 13.796,-45.13 14.076,-45.13 14.772,-45.826 14.772,-46.106 ; 13.796,-45.13 14.772,-46.106 ; 26.976,-18.1 C80.2@27.521,-18.1 C79.2@29.321,-18.1 C78.2@31.121,-18.1 C77.2@33.021,-18.1 34.414,-18.1 ; 27.115,-42.097 27.343,-41.869 ; 27.115,-42.097 27.115,-41.91 27.156,-41.869 27.343,-41.869 ; 27.115,-42.097 27.115,-43.47 27.5,-43.855 27.5,-48.895 ; 27.81,-29.4 R?.2@28.6,-29.4 33.048,-29.4 ; 33.048,-29.4 35.12,-29.4 IDC*.5@36.682,-27.838 ; 33.048,-29.4 34.938,-31.29 35.951,-31.29 36.43,-30.81 42.021,-30.81 ; 34.414,-18.1 C76.2@34.921,-18.1 C75.2@36.721,-18.1 37.652,-18.1 37.752,-18.2 C74.2@38.721,-18.2 C73.2@40.821,-18.2 41.361,-18.2 ; R23.2@35.519,-42.2 37.299,-40.42 37.299,-31.887 37.437,-31.75 42.199,-31.75 42.263,-31.686 42.263,-31.051 42.021,-30.81 ; IDC*.5@36.682,-27.838 36.72,-27.838 IDC*.5@36.72,-27.8 IDC*.5@36.682,-27.838 ; 41.361,-18.2 42.001,-18.2 C72.2@42.921,-18.2 43.508,-18.2 ; 43.508,-18.2 46.689,-18.2 ; 43.508,-18.2 44.053,-18.2 C71.2@45.221,-18.2 46.689,-18.2 ; 43.627,-42.2 46.073,-39.754 48.803,-39.754 49.409,-40.361 51.14,-38.681 51.14,-36.2
VCC_5V: DISPLAY.2 ENC_AB_1.1 ENC_AB_2.1 ENC_AB_3.1 ENC_AB_4.1 FLASH_PORT.1 I2C_5V.1 IDC*.7 IMU.4 SPI_5V.1 UART_5V_2.1 UART_RC_RECEIVER.1 | length 205.5
  Top Layer w0.152: I2C_5V.1@10.4,-49.9 10.4,-49.86 3.629,-49.86 3.289,-49.521 3.289,-39.568 3.995,-38.862 3.995,-38.527 UART_5V_2.1@5,-38.5 4.175,-38.487 4.175,-36.327 3.416,-35.568 3.416,-30.146 4.163,-29.4 SPI_5V.1@5,-29.4 7.567,-29.4 8.729,-28.238 8.729,-26.365 8.5,-26.137 7.071,-26.137 7.045,-26.111 7.045,-20.599 8.696,-18.948 20.355,-18.948 20.7,-18.603 FLASH_PORT.1@20.7,-17.05 20.7,-16.307 25.558,-16.307 25.753,-16.112 v1(25.753,-15.354) ; v1(44.358,-21.844) 44.358,-20.46 46.263,-18.555 46.263,-16.066 46.708,-15.621 48.879,-15.621 ; v1(48.32,-12.7) 48.32,-15.062 48.879,-15.621 ; v1(48.371,-12.3) v1(48.371,-8.534) ; ENC_AB_1.1@50,-15.9 49.158,-15.9 48.879,-15.621
  Bottom Layer w0.152: IMU.4@8.59,-1.07 8.59,-2.129 9.839,-3.378 9.839,-7.01 9.865,-7.036 11.211,-7.036 11.236,-7.01 11.236,-4.724 12.938,-3.023 36.404,-3.023 ; v1(25.753,-15.354) 25.753,-14.892 27.95,-12.695 27.95,-4.585 28.47,-4.064 29.998,-4.064 ; ENC_AB_3.1@35.4,-5.1 35.4,-4.089 ; DISPLAY.2@37.84,-14.3 36.824,-13.284 34.452,-13.284 34.3,-13.437 29.719,-13.437 29.693,-13.411 29.693,-4.369 29.998,-4.064 ; IDC*.7@40.53,-23.9 40.53,-25.375 40.555,-25.4 42.491,-25.4 42.809,-25.082 42.809,-23.393 v1(44.358,-21.844) ; ENC_AB_4.1@45.6,-4.9 45.575,-3.988 35.4,-4.064 35.4,-4.089 ; v1(48.32,-12.7) 48.72,-12.3 ; v1(48.371,-12.3) 48.72,-12.3 ; v1(48.371,-8.534) 51.826,-8.534 51.851,-8.509 51.851,-5.381 51.47,-5 ENC_AB_2.1@50.1,-5 50.022,-5 50.022,-3.48 49.565,-3.023 36.404,-3.023 ; UART_RC_RECEIVER.1@50,-12.3 48.72,-12.3 ; 29.998,-4.064 35.375,-4.064 ; 35.375,-4.064 35.4,-4.089 ; 35.375,-4.064 36.404,-3.023
pads on no net: Buzzer. ENC_1.7 ENC_1.8 ENC_2.7 ENC_2.8 ENC_3.7 ENC_3.8 ENC_4.7 ENC_4.8 ENC_AB_1.7 ENC_AB_1.8 ENC_AB_2.7 ENC_AB_2.8 ENC_AB_3.7 ENC_AB_3.8 ENC_AB_4.7 ENC_AB_4.8 ESP32. ESP32.4 ESP32.5 ESP32.10 ESP32.11 ESP32.12 ESP32.13 ESP32.14 ESP32.16 ESP32.17 ESP32.18 ESP32.19 ESP32.20 ESP32.21 ESP32.22 ESP32.23 ESP32.32 FLASH_PORT.7 FLASH_PORT.8 I2C_3V3.2 I2C_3V3.7 I2C_3V3.8 I2C_5V.2 I2C_5V.7 I2C_5V.8 IMU.7 LED_UP.0 LIGHTS.0 mini_USB1.Shell mini_USB2.1 mini_USB2.4 SERVO.7 SERVO.8 SPI_3V3.7 SPI_3V3.8 SPI_5V.7 SPI_5V.8 STM32.2 STM32.3 STM32.6 STM32.7 STM32.8 STM32.9 STM32.12 STM32.13 STM32.14 STM32.15 STM32.26 STM32.32 STM32.40 STM32.45 STM32.46 STM32.49 STM32.50 STM32.53 STM32.56 STM32.57 STM32.63 STM32.65 STM32.73 STM32.74 STM32.78 STM32.79 STM32.80 STM32.85 STM32.86 STM32.87 STM32.88 STM32.89 STM32.90 STM32.105 STM32.109 STM32.113 STM32.116 STM32.117 STM32.118 STM32.119 STM32.125 STM32.133 STM32.134 STM32.139 STM32.140 STM32.143 U1.2 U1.6 U1.7 U1.14 U1.16 UART_3V3_2.7 UART_3V3_2.8 UART_5V_2.7 UART_5V_2.8 UART_RC_RECEIVER.7 UART_RC_RECEIVER.8 uSD_slot.

## Silkscreen, mask and mechanical layers (free items; w line width, h text height)
Top Overlay:
  circle w0.2: c-3.5,3.5 r3.4
  circle w0.2: c58.5,3.5 r3.4
  circle w0.2: c58.5,-58.5 r3.4
  circle w0.2: c-3.5,-58.5 r3.4

## Text inside footprints (layer, text, board x,y; h text height)
DISPLAY: Top Overlay "GND" at 34.6,-9.1 h1.52 r270; Top Overlay "VDD" at 37.1,-8.9 h1.52 r270; Top Overlay "SCK" at 39.6,-9.1 h1.52 r270; Top Overlay "SDA" at 42.4,-9 h1.52 r270
ESP32: Bottom Overlay "Antena" at 0.8,-48.3 h1.52 r180
IMU: Bottom Overlay "Pololu  / MinIMU-9  / v5 9DOF" at -0.3,-6.15 h1.02 r180; Bottom Overlay "SCL" at 1.783,-2.162 h0.76 r90; Bottom Overlay "SDA" at 4.323,-2.162 h0.76 r90; Bottom Overlay "GND" at 8.133,-2.162 h0.76 r90; Bottom Overlay "VIN" at 9.403,-2.162 h0.76 r90; Bottom Overlay "VDD" at 11.943,-2.162 h0.76 r90; Bottom Overlay "SA0" at 6.863,-4.702 h0.76 r90
uSD_slot: Bottom Overlay "uSD" at 30.05,-50.75 h1.52